# Allegro board 1155001-Timing_board_V3_20241024_1805_pcb.brd (continued)
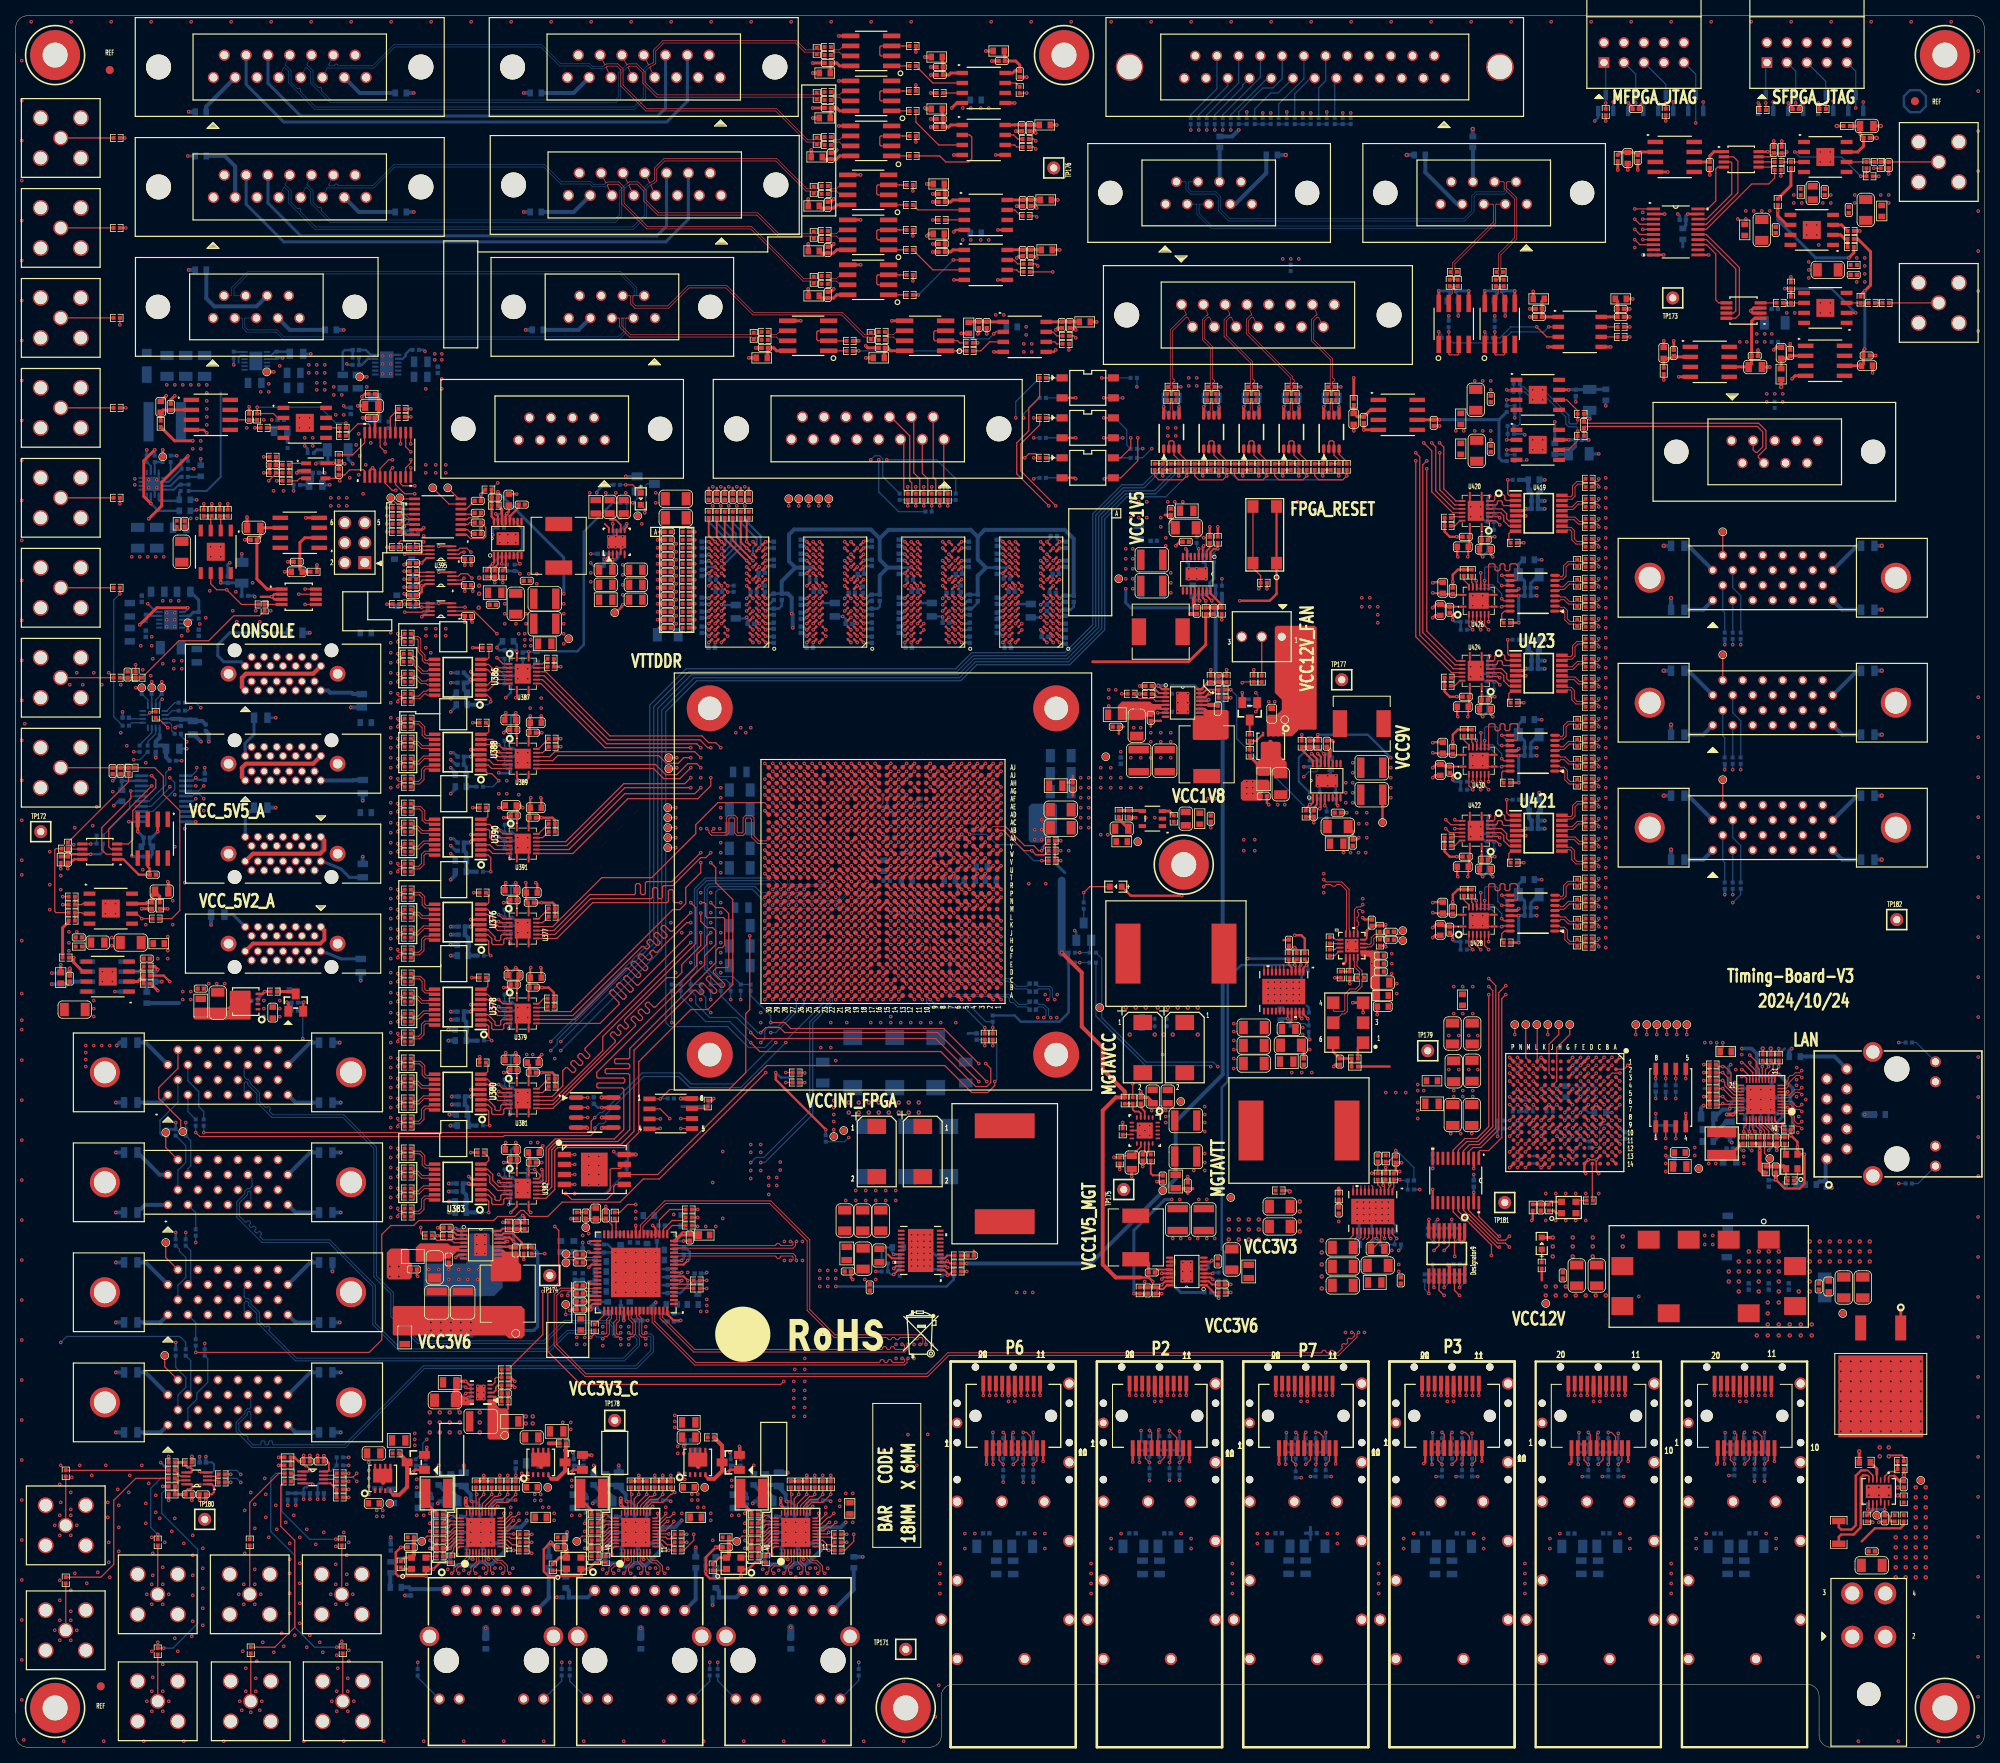
[diagram p0: board, top side]
## Copper pours and planes (outline as drawn; the poured copper is in the pictures) (continued)
VCC12V on ART10: 138.05,135 144.65,141.6 144.65,159 144.78,159.13 167.26,159.13 167.39,159 167.39,129.79 162.81,125.22 162.81,120.97 162.43,120.59 153.73,120.59 147.96,126.36 142.75,126.36 140.97,128.14 138.05,128.14
VCC12V_EDS_ON on TOP: 30.38,93.73 30.38,95.12 30.51,95.25 33.66,95.25 33.78,95.12 33.78,93.73 33.66,93.6 30.51,93.6
VCC12V_EDS_ON on BOTTOM: 33.66,96.9 31.37,96.9 31.24,96.77 31.24,93.47 31.37,93.34 33.66,93.34 33.78,93.47 33.78,96.77
VCC12V_FAN on TOP (solid shape): 165.23,142.24 165.23,129.41 165.1,129.29 162.94,129.29 162.1,128.45 159,128.45 158.88,128.57 158.88,130.94 159.13,131.19 160.15,131.19 160.78,131.83 160.78,133.1 159.89,133.99 159.89,142.24 160.15,142.49 164.97,142.49
VCC12V_IN on TOP: 236.75,33.6 236.73,33.63 236.73,36.45 236.35,36.83 236.35,38.48 236.47,38.61 238.25,38.61 238.38,38.48 238.38,36.07 237.05,34.73 237.05,34.58 237.03,34.57 237.03,33.63 237.01,33.6
VCC12V_IN on TOP: 218.69,51.69 218.44,51.94 218.44,58.17 218.57,58.29 235.59,58.29 235.71,58.17 235.71,51.82 235.59,51.69
VCC12V_IN on BOTTOM: 229.87,36.45 229.62,36.7 229.62,51.31 229.24,51.69 218.69,51.69 218.44,51.94 218.44,58.17 218.57,58.29 235.33,58.29 235.46,58.17 235.46,53.09 234.06,51.69 231.52,51.69 231.14,51.31 231.14,39.5 231.27,39.37 238.63,39.37 238.89,39.12 238.89,36.58 238.76,36.45
VCC12V_IN_CON on TOP: 235.46,12.57 235.33,12.45 229.74,12.45 229.62,12.57 229.62,26.29 229.74,26.42 235.33,26.42 235.46,26.29
VCC12V_IN_CON on BOTTOM: 234.57,31.11 234.57,28.19 235.46,27.3 235.46,12.57 235.33,12.45 229.74,12.45 229.62,12.57 229.62,24.51 233.3,28.19 233.3,30.99 233.43,31.11
VCC-10V4_A on BOTTOM: 25.53,171.83 25.4,171.96 25.4,175.64 24.77,176.28 14.22,176.28 14.1,176.4 14.1,179.32 14.22,179.45 21.72,179.45 23.5,177.67 27.05,177.67 27.18,177.55 27.18,176.4 27.56,176.02 29.59,176.02 29.72,176.15 29.72,177.42 29.84,177.55 31.11,177.55 31.24,177.42 31.24,174.62 31.11,174.5 30.23,174.5 30.1,174.37 30.1,171.96 29.97,171.83
VCC-10V_A on TOP: 236.47,195.45 238,195.45 238.12,195.58 238.12,197.36 238,197.49 236.47,197.49 236.35,197.36 236.35,195.58
VCC-10V_A on TOP: 51.82,176.66 52.83,175.64 71.37,175.64 72.64,174.37 125.73,174.37 128.14,176.78 143.64,176.78 145.16,175.26 145.16,168.78 145.54,168.4 147.57,168.4 147.7,168.28 147.7,166.37 147.57,166.24 143.76,166.24 141.35,168.66 141.35,173.74 140.27,174.82 129.35,174.82 127,172.47 43.81,172.47 43.43,172.09 37.72,172.09 37.59,172.21 37.59,176.4 37.85,176.66
VCC-10V_A on TOP: 18.54,100.97 19.56,100.97 19.68,101.09 19.68,103.12 19.56,103.25 18.54,103.25 18.41,103.12 18.41,101.09
VCC-10V_A on TOP: 7.75,102.23 7.11,102.23 6.86,102.49 6.48,102.49 6.35,102.36 6.35,100.97 6.48,100.84 7.75,100.84 7.87,100.97 7.87,102.11
VCC-10V_A on TOP: 233.68,187.83 234.95,187.83 235.08,187.96 235.08,189.48 234.95,189.61 233.68,189.61 233.55,189.48 233.55,187.96
VCC-10V_A on TOP: 20.7,155.57 19.81,155.57 19.68,155.7 19.68,159.64 20.19,160.15 35.69,160.15 35.81,160.02 35.81,159 35.69,158.88 21.46,158.88 20.83,158.24 20.83,155.7
VCC-10V_A on TOP: 184.15,168.4 184.15,165.35 184.02,165.23 182.12,165.23 181.99,165.35 181.99,168.4 182.12,168.53 184.02,168.53
VCC-10V_A on TOP: 226.95,197.49 225.68,197.49 225.55,197.36 225.55,195.96 225.68,195.83 226.95,195.83 227.08,195.96 227.08,197.36
VCC-10V_A on BOTTOM: 228.73,193.93 225.55,193.93 225.43,194.06 225.43,197.74 225.55,197.87 239.65,197.87 239.78,197.74 239.78,187.96 239.71,187.9 234.76,187.9
VCC-10V_A on BOTTOM: 39.5,173.48 39.5,171.83 39.37,171.7 35.81,171.7 35.69,171.83 35.69,173.35 35.81,173.48 37.97,173.48 38.1,173.61 39.37,173.61
VCC-10V_A on BOTTOM: 34.92,165.35 32.51,165.35 32.38,165.23 32.38,159.38 32.51,159.26 35.43,159.26 35.56,159.38 35.56,160.91 35.05,161.42 35.05,165.23
VCC-10V_A on ART03: 16.38,162.18 16.38,129.03 19.56,125.86 19.56,103.5 18.54,102.49 6.48,102.49 6.35,102.36 6.35,96.77 6.48,96.65 25.65,96.65 25.78,96.77 25.78,153.42 26.8,154.43 39.88,154.43 40.01,154.56 40.01,174.12 39.88,174.24 33.78,174.24 33.66,174.12 33.66,163.96 32.13,162.43 16.64,162.43
VCC-10V_A on ART03: 191.39,169.8 193.93,167.26 210.19,167.26 219.84,176.91 223.65,176.91 224.16,177.42 224.16,197.74 224.28,197.87 238.38,197.87 238.51,197.74 238.51,169.54 228.98,160.02 183.26,160.02 179.32,163.96 146.05,163.96 145.92,164.08 145.92,169.54 146.18,169.8
VCC_BPSI on BOTTOM: 44.42,141.99 44.42,139.88 44.3,139.75 43,139.75 39.75,136.5 38.58,136.5 37.9,137.19 37.9,141.99 38.15,142.24 44.17,142.24
VCC_BPSR on BOTTOM: 44.17,119.51 44.27,119.41 44.27,116.26 42.85,114.83 38.61,114.83 38.07,115.37 38.07,119.35 38.23,119.51
VCC_BPSR2 on BOTTOM: 44.2,130.94 44.27,130.86 44.27,127.1 42.47,125.3 38.02,125.3 37.64,125.68 37.64,130.73 37.85,130.94
VCC_EDS on BOTTOM: 34.42,95.5 45.21,95.5 45.47,95.76 45.47,104.9 45.34,105.03 38.48,105.03 38.23,104.78 38.23,102.62 37.97,102.36 28.45,102.36 28.32,102.23 28.32,100.2 28.83,99.69 28.83,97.41 29.08,97.16 34.04,97.16 34.29,96.9 34.29,95.63
VCCAUX on BOTTOM (solid shape): 132.25,119.72 132.25,116.12 132.08,115.95 130.94,115.95 130.68,115.7 130.68,115.19 130.43,114.94 128.91,114.94 128.65,115.19 128.65,119.51 129.03,119.89 132.08,119.89
VCCAUX on TOP: 128.91,122.3 129.67,123.06 131.44,123.06 131.7,122.81 131.7,120.9 132.21,120.4 132.21,116.08 131.95,115.82 130.81,115.82 130.68,115.7 130.68,115.32 130.43,115.06 129.29,115.06 128.91,115.44
VCCAUX on BOTTOM: 109.73,114.17 109.98,114.43 111.63,114.43 111.89,114.17 111.89,112.27 111.76,112.14 111.51,112.14 111.38,112.27 109.86,112.27 109.73,112.39
VCCAUX on BOTTOM: 114.81,113.41 114.94,113.54 115.82,113.54 115.95,113.41 115.95,112.9 116.33,112.52 116.84,112.52 117.47,111.89 117.47,109.73 117.73,109.47 117.73,99.82 118.24,99.31 118.24,97.66 117.73,97.16 117.73,96.65 117.47,96.39 115.95,96.39 115.82,96.52 115.82,97.28 115.95,97.41 116.33,97.41 116.59,97.66 116.59,98.93 116.46,99.06 116.46,109.22 115.44,110.24 115.44,112.34 114.81,112.98
VCCAUX on ART10: 129.54,118.11 132.21,118.11 132.33,117.98 132.33,106.55 132.21,106.43 109.73,106.43 109.6,106.55 109.6,114.43 109.73,114.55 118.24,114.55 118.49,114.81 118.49,116.46 118.62,116.59 128.02,116.59
VCCINT_FPGA on TOP: 177.55,82.68 177.8,82.93 179.45,82.93 179.58,82.8 179.58,79.76 179.32,79.5 177.8,79.5 177.55,79.76
VCCINT_FPGA on TOP: 129.21,82.22 130.05,81.38 130.05,76.07 129.29,75.31 128.39,75.31 128.39,75.31 120.65,75.31 118.11,77.85 104.52,77.85 104.27,78.11 104.27,82.04 104.45,82.22
VCCINT_FPGA on BOTTOM: 101.6,84.2 102.11,84.71 121.67,84.71 121.79,84.58 121.79,78.23 121.6,78.04 105.98,78.04 105.03,78.99 101.98,78.99 101.6,79.38
VCCINT_FPGA on ART03: 142.88,80.64 117.73,80.64 115.95,82.42 110.11,82.42 110.11,73.15 121.03,62.23 178.05,62.23 179.32,63.5 179.32,82.3 179.2,82.42 144.65,82.42
VCCINT_FPGA on POWR06: 91.44,101.62 92.05,102.23 94.85,102.23 94.97,102.36 105.34,102.36 105.79,102.82 105.79,113.89 106.15,114.25 117.54,114.25 117.54,109.87 118.06,109.35 120.22,109.35 120.4,109.17 120.4,94.47 120.27,94.34 120.27,79.63 119.89,79.25 93.2,79.25 91.44,81
VCCINT_S_FPGA on TOP: 180.09,82.8 180.21,82.93 185.8,82.93 185.93,82.8 185.93,80.77 185.8,80.64 180.21,80.64 180.09,80.77
VCCINT_S_FPGA on ART10: 193.55,84.2 201.17,84.2 201.3,84.07 201.3,78.23 200.29,77.22 191.52,77.22 191.39,77.09 190.5,77.09 190.12,76.71 182.5,76.71 182.37,76.83 182.37,83.06 182.5,83.19 192.53,83.19
FPGA_SFP1_VCCR on BOTTOM: 181.64,23.24 181.52,23.37 181.52,29.46 183.17,31.11 183.17,31.75 185.58,34.16 185.58,39.88 182.33,43.13 182.33,44.8 182.49,44.96 182.79,44.96 182.91,44.83 182.91,44.07 186.85,40.13 186.85,37.85 187.61,37.08 187.61,34.04 184.69,31.11 184.69,30.73 183.29,29.34 183.29,23.5 183.04,23.24 ; 1 cut-out
FPGA_SFP1_VCCT on BOTTOM: 179.23,23.24 179.1,23.37 179.1,29.08 176.94,31.24 176.94,39.37 179.48,41.91 179.48,42.55 180.88,43.94 181.01,43.94 181.52,44.45 181.52,44.83 181.77,45.09 182.02,45.09 182.15,44.96 182.15,43.43 180.88,42.16 180.88,41.53 178.21,38.86 178.21,32.38 181.14,29.46 181.14,23.37 181.01,23.24 ; 1 cut-out
FPGA_SFP2_VCCR on BOTTOM: 144.49,23.24 144.37,23.37 144.37,29.46 146.02,31.11 146.02,31.88 148.43,34.29 148.43,39.88 145.18,43.13 145.18,44.8 145.34,44.96 145.64,44.96 145.76,44.83 145.76,44.07 149.7,40.13 149.7,37.85 150.46,37.08 150.46,34.29 147.54,31.37 147.54,30.73 146.14,29.34 146.14,23.5 145.89,23.24 ; 1 cut-out
FPGA_SFP2_VCCT on BOTTOM: 142.08,23.24 141.95,23.37 141.95,29.08 139.79,31.24 139.79,39.37 142.33,41.91 142.33,42.55 143.73,43.94 143.86,43.94 144.37,44.45 144.37,44.83 144.62,45.09 144.87,45.09 145,44.96 145,43.43 143.73,42.16 143.73,41.53 141.06,38.86 141.06,32.38 143.98,29.46 143.98,23.37 143.86,23.24 ; 1 cut-out
FPGA_SFP3_VCCR on BOTTOM: 125.92,23.24 125.79,23.37 125.79,29.61 129.85,33.68 129.85,39.88 126.6,43.13 126.6,44.8 126.76,44.96 127.06,44.96 127.19,44.83 127.19,44.07 131.12,40.13 131.12,37.85 131.89,37.08 131.89,33.81 127.57,29.49 127.57,23.5 127.31,23.24 ; 1 cut-out
FPGA_SFP3_VCCT on BOTTOM: 123.5,23.24 123.38,23.37 123.38,29.08 121.22,31.24 121.22,39.37 123.76,41.91 123.76,42.55 125.16,43.94 125.28,43.94 125.79,44.45 125.79,44.83 126.04,45.09 126.3,45.09 126.43,44.96 126.43,43.43 125.16,42.16 125.16,41.53 122.49,38.86 122.49,32.38 125.41,29.46 125.41,23.37 125.28,23.24 ; 1 cut-out
FPGA_SFP4_VCCR on BOTTOM: 163.07,23.24 162.94,23.37 162.94,29.74 167,33.81 167,39.88 163.75,43.13 163.75,44.8 163.91,44.96 164.21,44.96 164.34,44.83 164.34,44.07 168.28,40.13 168.28,37.85 169.04,37.08 169.04,34.04 164.72,29.72 164.72,23.5 164.47,23.24 ; 1 cut-out
FPGA_SFP4_VCCT on BOTTOM: 160.66,23.24 160.53,23.37 160.53,29.08 158.37,31.24 158.37,39.37 160.91,41.91 160.91,42.55 162.31,43.94 162.43,43.94 162.94,44.45 162.94,44.83 163.19,45.09 163.45,45.09 163.58,44.96 163.58,43.43 162.31,42.16 162.31,41.53 159.64,38.86 159.64,32.38 162.56,29.46 162.56,23.37 162.43,23.24 ; 1 cut-out
FPGA_SFP5_VCCR on BOTTOM: 218.79,23.24 218.67,23.37 218.67,29.46 220.32,31.11 220.32,31.75 222.73,34.16 222.73,39.88 219.48,43.13 219.48,44.8 219.64,44.96 219.94,44.96 220.06,44.83 220.06,44.07 224,40.13 224,37.85 224.76,37.08 224.76,34.04 221.84,31.11 221.84,30.73 220.44,29.34 220.44,23.5 220.19,23.24 ; 1 cut-out
FPGA_SFP5_VCCT on BOTTOM: 216.38,23.24 216.25,23.37 216.25,29.08 214.09,31.24 214.09,39.37 216.63,41.91 216.63,42.55 218.03,43.94 218.16,43.94 218.67,44.45 218.67,44.83 218.92,45.09 219.17,45.09 219.3,44.96 219.3,43.43 218.03,42.16 218.03,41.53 215.36,38.86 215.36,32.38 218.29,29.46 218.29,23.37 218.16,23.24 ; 1 cut-out
FPGA_SFP6_VCCR on BOTTOM: 200.22,23.24 200.09,23.37 200.09,29.46 201.74,31.11 201.74,31.75 204.16,34.16 204.16,39.88 200.9,43.13 200.9,44.8 201.06,44.96 201.36,44.96 201.49,44.83 201.49,44.07 205.43,40.13 205.43,37.85 206.19,37.08 206.19,34.04 203.27,31.11 203.27,30.73 201.87,29.34 201.87,23.5 201.62,23.24 ; 1 cut-out
FPGA_SFP6_VCCT on BOTTOM: 197.81,23.24 197.68,23.37 197.68,29.08 195.52,31.24 195.52,39.37 198.06,41.91 198.06,42.55 199.46,43.94 199.58,43.94 200.09,44.45 200.09,44.83 200.35,45.09 200.6,45.09 200.73,44.96 200.73,43.43 199.46,42.16 199.46,41.53 196.79,38.86 196.79,32.38 199.71,29.46 199.71,23.37 199.58,23.24 ; 1 cut-out
HMC7044_1_VCC1_VCO on TOP: 83.09,60.93 83.13,60.97 84.08,60.97 84.09,60.97 84.82,60.97 85.04,61.19 85.47,61.19 85.6,61.06 85.6,60.12 85.52,60.05 85.25,60.05 85.07,60.22 85.07,60.35 84.75,60.67 83.09,60.67
HMC7044_1_VCC1_VCO on BOTTOM: 83.31,62.32 83.39,62.4 84.14,62.4 84.27,62.27 84.27,61.73 84.42,61.58 84.76,61.58 85.08,61.26 86.26,61.26 86.51,61.01 86.51,59.56 86.64,59.44 87.12,59.44 87.25,59.31 87.25,58.8 87.22,58.78 87.22,58.7 87.15,58.62 86.18,58.62 85.95,58.85 85.95,59.54 85.42,60.07 85.11,60.07 84.66,60.51 84.26,60.51 84.2,60.45 83.44,60.45 83.31,60.58
HMC7044_1_VCC2_OUT on TOP (solid shape): 87.17,65.49 87.17,65.36 87.17,65.35 87.17,64.69 87.05,64.57 86.31,64.57 85.98,64.9 84.58,64.9 84.1,64.41 84.1,64.21 84.07,64.19 83.11,64.19 83.08,64.21 83.08,64.41 83.13,64.47 83.52,64.47 84.61,65.56 87.1,65.56
HMC7044_1_VCC2_OUT on BOTTOM: 83.44,64.77 83.44,65.49 83.86,65.91 83.86,66.62 84.03,66.79 84.95,66.79 85.26,66.49 85.26,65.18 85.08,65 84.84,65 84.61,64.77 ; 1 cut-out
HMC7044_1_VCC3_SYSREF on BOTTOM: 80.14,66.74 80.44,66.74 80.7,67 80.7,68.12 80.8,68.22 81.76,68.22 81.92,68.07 81.92,65.66 81.85,65.59 80.88,65.59 80.77,65.48 80.77,65.02 80.64,64.9 79.76,64.9 79.67,64.99 79.67,66.27
HMC7044_1_VCC4_OUT on BOTTOM: 75.13,64.62 75.13,66.27 75.39,66.52 79.22,66.52 79.39,66.35 79.39,64.75 79.26,64.62 ; 2 cut-outs
HMC7044_1_VCC5_PLL1 on BOTTOM: 73.3,61.29 73,61.59 70.54,61.59 70.31,61.82 70.31,63.2 70.41,63.3 71.22,63.3 71.63,62.89 72.38,62.89 72.51,63.02 72.51,63.11 72.68,63.29 73.23,63.29 73.27,63.24 74.05,63.24 74.17,63.12 74.17,62.23 74.09,62.16 74.09,61.46 73.92,61.29 ; 1 cut-out
HMC7044_1_VCC6_OSCOUT on BOTTOM: 68.5,63.09 68.68,63.27 69.77,63.27 69.95,63.09 69.95,61.62 70.38,61.19 73,61.19 73.25,60.93 73.86,60.93 73.94,60.86 73.94,60.12 73.79,59.97 68.78,59.97 68.5,60.25
HMC7044_1_VCC7_PLL2 on TOP: 71.25,54.86 71.34,54.95 72.49,54.95 72.61,55.07 72.61,55.72 72.75,55.87 73.19,55.87 73.37,55.69 73.37,54.7 72.75,54.08 71.42,54.08 71.25,54.25
HMC7044_1_VCC8_OUT on BOTTOM: 76.76,54.58 76.93,54.74 77.2,54.74 77.48,55.02 77.48,55.48 77.98,55.97 79.63,55.97 79.7,55.9 79.7,55.07 79.5,54.87 79.13,54.87 78.99,54.74 78.99,53.98 78.91,53.89 76.97,53.89 76.76,54.09
HMC7044_1_VCC9_OUT on BOTTOM: 83.44,55.37 83.69,55.63 83.69,56.77 83.92,57 85.47,57 85.62,56.85 85.62,55.83 85.27,55.47 85.27,54.03 85.06,53.82 83.54,53.82 83.44,53.92
INPUT_GND on TOP: 235.97,27.18 236.09,27.3 240.28,27.3 240.92,27.94 240.92,31.24 240.54,31.62 234.95,31.62 234.82,31.75 234.82,33.27 234.95,33.4 240.41,33.4 240.54,33.53 240.54,34.42 240.66,34.54 242.82,34.54 242.95,34.42 242.95,12.57 242.82,12.45 236.09,12.45 235.97,12.57 ; 2 cut-outs
INPUT_GND on TOP: 219.84,65.91 235.46,65.91 235.71,65.66 235.71,58.93 235.59,58.8 216.53,58.8 216.41,58.93 216.41,62.74 216.53,62.87 219.46,62.87 219.71,63.12 219.71,65.79
INPUT_GND on BOTTOM: 216.53,58.8 216.41,58.93 216.41,62.61 216.53,62.74 219.07,62.74 220.98,64.64 235.71,64.64 235.84,64.52 235.84,58.93 235.71,58.8
INPUT_GND on BOTTOM: 242.95,34.92 242.95,12.57 242.82,12.45 236.09,12.45 235.97,12.57 235.97,27.94 236.35,28.32 236.35,29.59 236.47,29.72 237.87,29.72 238,29.84 238,30.61 237.87,30.73 236.35,30.73 235.46,31.62 235.08,31.62 234.95,31.75 234.95,33.4 235.08,33.53 238,33.53 239.52,35.05 242.82,35.05
INPUT_GND on GND02: 230.52,0.51 229.82,0.8 229.53,1.5 229.53,6.5 229.42,7.15 229.11,7.73 229.11,49.15 227.08,51.18 214.5,51.18 213.49,52.2 213.49,57.66 210.57,60.58 210.57,65.66 211.07,66.17 242.7,66.17 242.95,65.91 242.95,10.92 240.54,8.51 240.54,1.02 240.03,0.51
INPUT_GND on GND04, GND07, GND09, GND11: 230.52,0.51 229.82,0.8 229.53,1.5 229.53,6.5 229.42,7.15 229.11,7.73 229.11,49.15 227.08,51.18 214.5,51.18 213.49,52.2 213.49,57.66 210.57,60.58 210.57,65.66 211.07,66.17 242.7,66.17 242.95,65.91 242.95,10.92 240.54,8.51 240.54,1.02 240.03,0.51
MGTAVCC on TOP: 144.53,95.5 145.03,95 150.37,95 150.75,94.61 150.75,91.31 150.62,91.19 137.03,91.19 136.91,91.31 136.91,105.28 137.03,105.41 144.4,105.41 144.53,105.28
MGTAVCC on BOTTOM: 150.37,94.36 150.5,94.23 150.5,92.46 150.37,92.33 140.72,92.33 140.59,92.46 140.59,94.23 140.72,94.36
MGTAVCC on ART05: 150.11,107.44 150.75,106.81 150.75,91.82 150.5,91.57 124.97,91.57 120.27,96.27 120.27,98.42 118.62,100.08 118.62,108.46 118.75,108.58 134.24,108.58 135.38,107.44
MGTAVCC on ART08: 118.62,104.65 121.67,104.65 121.79,104.52 121.79,95.63 121.67,95.5 118.62,95.5 118.49,95.63 118.49,104.52
MGTAVTT on TOP: 143.76,82.42 144.02,82.68 148.08,82.68 148.46,82.3 148.46,78.61 148.21,78.36 146.81,78.36 146.43,78.74 144.91,78.74 144.78,78.87 144.78,79.5 144.53,79.76 143.89,79.76 143.76,79.88
MGTAVTT on POWR06: 117.79,114.25 125.75,114.25 125.88,114.12 144.83,114.12 146.56,112.39 146.56,78.61 146.3,78.36 121.52,78.36 120.78,79.1 120.78,94.34 120.65,94.47 120.65,109.27 120.32,109.6 118.16,109.6 117.79,109.97
MGTVCCAUX on TOP: 140.08,115.44 140.21,115.32 140.21,113.67 140.08,113.54 132.59,113.54 132.46,113.67 132.46,114.3 133.6,115.44
MGTVCCAUX on ART08: 126.77,113.67 127.91,114.81 134.37,114.81 134.49,114.68 134.49,110.24 134.37,110.11 118.75,110.11 118.62,110.24 118.62,113.54 118.75,113.67
S_XADC_AGND on BOTTOM: 195.8,81.16 196.05,81.41 196.05,82.75 196.33,83.03 197.19,83.03 197.29,82.93 197.29,82.58 197.55,82.32 199.43,82.32 199.5,82.25 199.5,81.86 199.43,81.79 197.01,81.79 196.58,81.36 196.58,79.93 196.5,79.86 195.88,79.86 195.8,79.94
VTTDDR on TOP: 83.19,141.48 82.93,141.73 82.93,154.69 83.19,154.94 83.95,154.94 84.2,155.19 84.2,159.46 84.48,159.74 86.28,159.74 87.27,158.75 93.27,158.75 93.47,158.55 93.47,157.02 93.17,156.72 86.18,156.72 85.72,156.26 85.72,155.32 84.96,154.56 84.96,141.73 84.71,141.48 ; 38 cut-outs
VTTDDR on TOP: 76.23,151.13 76.35,151.26 77.98,151.26 78.28,150.95 78.28,145.03 78.13,144.88 76.83,144.88 76.63,145.08 76.63,150.37 76.23,150.77
VTTDDR on BOTTOM: 83.62,140.28 83.41,140.49 83.41,142.01 82.93,142.49 82.93,154.05 84.45,155.57 84.45,158.12 85.09,158.75 93.34,158.75 93.6,158.5 93.6,156.97 93.34,156.72 87.25,156.72 86.87,156.34 86.87,155.83 84.68,153.64 84.68,140.49 84.48,140.28 ; 23 cut-outs
VTTDDR on ART10: 78.87,153.67 84.33,153.67 84.84,153.16 84.84,142.49 84.71,142.37 76.96,142.37 76.83,142.49 76.83,151.64
VTTVREF on TOP: 76.48,157.05 76.63,157.2 79.02,157.2 79.76,156.46 79.76,155.32 79.55,155.12 77.37,155.12 77.14,155.35 77.14,156.06 77.01,156.18 76.58,156.18 76.48,156.29
VTTVREF on BOTTOM: 77.22,155.57 77.47,155.83 79.76,155.83 80.01,155.57 80.01,140.34 81.41,138.94 96.01,138.94 96.9,139.83 96.9,144.02 97.28,144.4 98.68,144.4 99.06,144.02 99.06,137.92 98.68,137.54 79.63,137.54 77.85,139.32 77.85,154.31 77.22,154.94
VTTVREF on BOTTOM: 112.9,121.11 113.59,121.79 115.7,121.79 115.82,121.67 117.35,121.67 117.98,122.3 118.24,122.3 118.75,121.79 118.75,120.65 118.49,120.4 115.95,120.4 115.32,121.03 114.55,121.03 114.05,120.52 113.03,120.52 112.9,120.65
VTTVREF on ART03: 117.6,122.43 117.73,122.56 119.63,122.56 119.76,122.43 119.76,119 119.25,118.49 117.73,118.49 117.6,118.62
VTTVREF on ART05: 97.16,144.27 97.28,144.4 99.44,144.4 99.69,144.15 99.69,137.92 112.01,125.6 112.01,121.92 112.27,121.67 113.03,121.67 113.54,121.16 113.54,120.65 113.28,120.4 112.65,120.4 112.52,120.27 112.52,117.86 113.03,117.35 113.28,117.35 113.41,117.22 113.41,116.71 113.28,116.59 113.03,116.59 112.65,116.2 112.65,115.7 112.39,115.44 108.71,115.44 108.46,115.7 108.46,125.86 97.16,137.16
W_DRIVER_5V on POWR06: 93.6,181.74 86.74,188.59 40.51,188.59 40.39,188.47 40.39,179.58 40.51,179.45 69.98,179.45 73.91,175.51 120.4,175.51 120.52,175.64 120.52,181.61 120.4,181.74
W_DRIVER_GND on BOTTOM: 125.98,179.96 124.08,179.96 123.95,180.09 123.95,182.12 124.08,182.25 125.73,182.25 126.11,181.86 126.11,180.09
W_DRIVER_GND on GND02, GND04, GND07, GND09, GND11: 73.15,175.13 69.72,178.56 24,178.56 23.88,178.69 23.88,189.23 24,189.36 87.12,189.36 94.11,182.37 125.6,182.37 126.11,181.86 126.11,175.9 125.35,175.13
W_DRIVER_GND on ART03, ART05, ART08, ART10: 69.72,178.56 73.15,175.13 125.35,175.13 126.11,175.9 126.11,181.86 125.6,182.37 94.11,182.37 87.12,189.36 24,189.36 23.88,189.23 23.88,178.69 24,178.56
X_DRIVER_5V on POWR06: 94.11,208.91 100.33,202.69 102.74,202.69 103.76,203.71 116.33,203.71 116.84,204.22 116.84,216.41 116.71,216.53 48.9,216.53 48.77,216.41 48.77,209.17 49.02,208.91
X_DRIVER_5V_ADD on POWR06: 196.39,203.07 197.49,201.97 197.49,178.01 196.39,176.91 179.28,176.91 178.18,178.01 178.18,190.58 175.85,192.91 145.37,192.91 144.27,194.01 144.27,201.97 145.37,203.07
X_DRIVER_GND on BOTTOM: 121.54,209.68 121.54,208.15 121.41,208.03 120.14,208.03 120.02,208.15 120.02,209.68 120.14,209.8 121.41,209.8
X_DRIVER_GND on GND02, GND04, GND07, GND09, GND11: 100.46,200.91 95.25,206.12 24.13,206.12 23.88,206.38 23.88,219.33 24.04,219.49 121.38,219.49 121.54,219.33 121.54,201.04 121.41,200.91
X_DRIVER_GND on ART03, ART05, ART08, ART10: 100.46,200.91 95.25,206.12 24.13,206.12 23.88,206.38 23.88,219.33 24.04,219.49 121.38,219.49 121.54,219.33 121.54,201.04 121.41,200.91
X_DRIVER_GND_ADD on GND02, ART03, GND04, ART05, GND07, ART08, GND09, ART10, GND11: 197.99,202.18 197.99,177.8 196.6,176.4 179.07,176.4 177.67,177.8 177.67,190.37 175.64,192.41 145.16,192.41 143.76,193.8 143.76,202.18 145.16,203.58 196.6,203.58
XADC_AGND on BOTTOM: 110.74,111.12 110.87,111.25 111.12,111.25 111.76,110.62 112.78,110.62 112.9,110.49 112.9,109.35 112.39,108.84 112.39,107.82 112.27,107.7 111.76,107.7 111.63,107.82 111.63,108.97 110.74,109.86
XADC_VCC on BOTTOM: 109.6,111.63 109.73,111.76 110.62,111.76 110.74,111.63 110.74,110.87 110.62,110.74 110.62,108.97 111,108.58 111.12,108.58 111.38,108.33 111.38,107.85 111.23,107.7 110.49,107.7 109.6,108.58
Z_DRIVER_5V on POWR06: 48.51,190.5 48.64,190.37 88.65,190.37 94.23,184.78 115.95,184.78 116.08,184.91 116.08,199.64 115.95,199.77 99.95,199.77 98.04,201.68 48.64,201.68 48.51,201.55
Z_DRIVER_GND on BOTTOM: 121.54,192.91 121.54,191.39 121.41,191.26 120.14,191.26 120.02,191.39 120.02,192.91 120.14,193.04 121.41,193.04
Z_DRIVER_GND on GND02, GND04, GND07, GND09, GND11: 94.36,182.88 87.38,189.87 24,189.87 23.88,189.99 23.88,205.36 24.13,205.61 95,205.61 100.2,200.41 121.41,200.41 121.54,200.28 121.54,183.01 121.41,182.88